# Altium PCB FD-KL-ASM-SUB-PCBA-MAIN.PcbDoc (part 3 of 4)
Units mm, origin at the board's own origin, x right, y up, seen from the top; angles counter-clockwise.
Board outline 32.6 x 105.94 mm, 4 copper layers (L1, L2, L3, L4), stack 1.514 mm thick; 339 components, 165 nets, 967 pads, 530 vias.
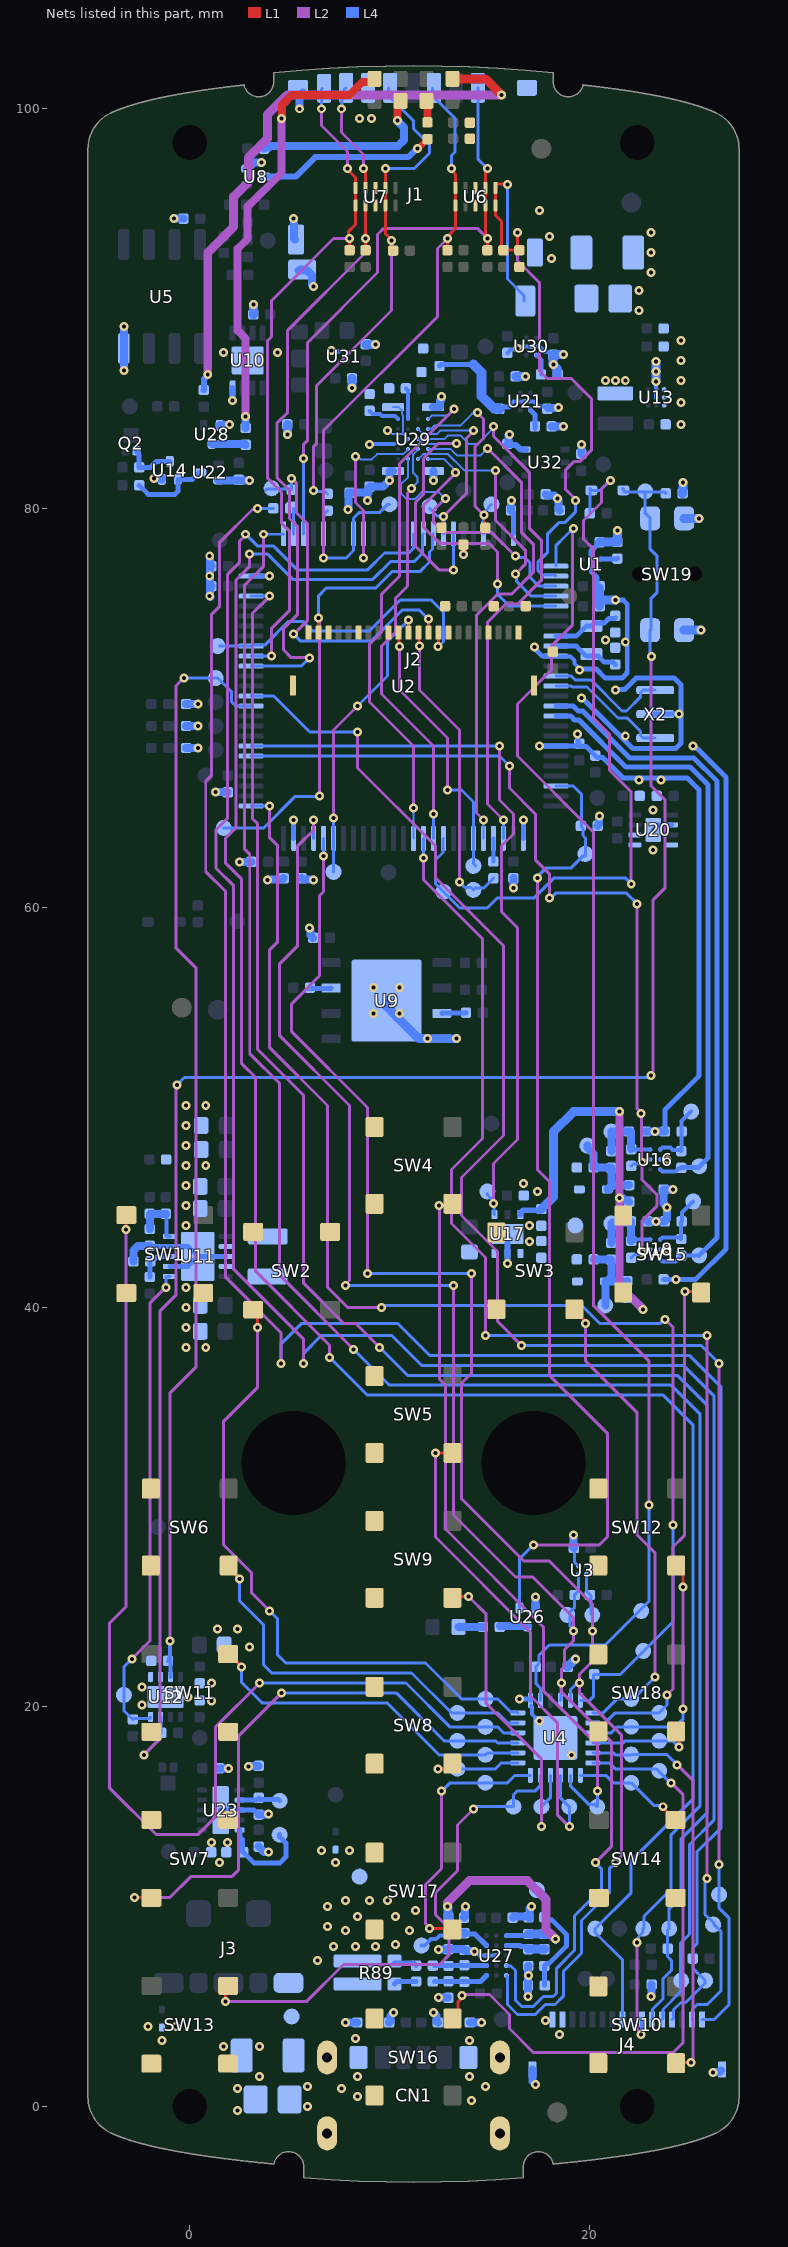
[diagram p5: the nets of this part, all layers, seen from the top]

## Via types
v1: diameter 0.45, hole 0.2, L1 to L4, tented both sides, 530 vias

## Nets (pads, with @x,y where several pads share a name; then routed paths per layer and width w, separated by ;. In a path a pad name is that pad's centre, name@x,y a point inside that pad or via, vN(x,y) a via of type N, cw(c..) or ccw(c..) an arc to the next point about the centre after c; other vN are vias at no path point) (continued)
DCMI_D4: U2.3 U29.E3 | length 13.8
  L2 w0.15: v1(12.8,80.5) 12.2,79.9 12.2,79.3 12.723,78.777 15.123,78.777 v1(16.3,77.6)
  L4 w0.1: U29.E3@10.929,82.465 10.929,81.561 10.562,81.195 10.562,80.759 10.865,80.456 11.256,80.456 11.61,80.81 12.457,80.81 12.766,80.5 v1(12.8,80.5)
  L4 w0.15: v1(16.3,77.6) 16.357,77.543 16.757,77.543 17.033,77.267 17.033,76.542 17.475,76.1 U2.3@18.325,76.1
DCMI_D5: U2.84 U29.D3 | length 9.4
  L2 w0.15: v1(8.3,82.6) 8.3,80.293 8.7,79.893 v1(8.7,77.5)
  L4 w0.1: v1(8.3,82.6) 8.395,82.6 8.548,82.446 9.112,82.446 9.381,82.715 10.679,82.715 U29.D3@10.929,82.965
  L4 w0.15: v1(8.7,77.5) U2.84@8.7,78.725
DCMI_D6: U2.4 U29.E2 | length 13
  L2 w0.15: v1(15.3,81.9) 15.3,79.4 16.8,77.9 16.8,77.2 v1(16.3,76.7)
  L4 w0.1: U29.E2@11.429,82.465 11.679,82.715 12.926,82.715 13.741,81.9 v1(15.3,81.9)
  L4 w0.15: v1(16.3,76.7) 16.357,76.643 16.357,76.343 17.1,75.6 U2.4@18.325,75.6
DCMI_D7: U2.5 U29.E1 | length 14.6
  L2 w0.15: v1(13.3,81.8) 13.3,81.751 11.7,80.151 11.7,79.055 12.512,78.243 14.964,78.243 15.4,77.807 v1(15.4,76.2)
  L4 w0.1: U29.E1@11.929,82.465 12.728,82.465 13.3,81.893 v1(13.3,81.8)
  L4 w0.15: v1(15.4,76.2) 15.4,75.7 16,75.1 U2.5@18.325,75.1
DCMI_HREF: U2.28 U29.C1 | length 27.4
  L2 w0.15: v1(15.2,84.1) 15.2,83.6 17,81.8 17,78.999 17.6,78.399 17.6,76.4 16.4,75.2 15.8,75.2 14.9,74.3 14.9,65.2 v1(15.7,64.4)
  L4 w0.1: U29.C1@11.929,83.465 12.737,83.465 12.907,83.635 13.565,83.635 13.985,83.215 14.41,83.215 15.2,84.005 v1(15.2,84.1)
  L4 w0.15: U2.28@15.7,63.475 v1(15.7,64.4)
DCMI_PCLK: U2.30 U29.D1 | length 25.5
  L2 w0.15: v1(14.7,64.4) 14.35,64.75 14.35,74.65 15.4,75.7 16.107,75.7 17.2,76.793 17.2,78.2 16.6,78.8 16.6,81.307 14.907,83 v1(14.9,83)
  L4 w0.1: U29.D1@11.929,82.965 13.059,82.965 13.383,82.64 14.54,82.64 v1(14.9,83) ; U2.30@14.7,63.475 v1(14.7,64.4)
DCMI_PWDN: U2.37 U29.A1 | length 25.6
  L2 w0.15: v1(11.2,65) 11.2,68.1 9,70.3 9,73.2 9.6,73.8 9.6,75.7 10.5,76.6 10.5,82.23 13.17,84.9 v1@13.2,84.9
  L4 w0.1: U2.37@11.2,63.475 v1(11.2,65) ; U29.A1@11.929,84.465 11.942,84.465 12.113,84.635 12.905,84.635 v1(13.235,84.965)
DCMI_VREF1: C77.1 U29.A4 | length 1.6
  L4 w0.2: C77.1@9,84.88 9.158,84.722 9.524,84.722 9.621,84.625 10.269,84.625 U29.A4@10.429,84.465
DCMI_VREF2: C76.1 U29.A3 | length 1.6
  L4 w0.2: C76.1@10.82,86 10.929,85.891 U29.A3@10.929,84.465
DCMI_VSYNC: U2.93 U29.C2 | length 12.8
  L2 w0.15: v1(13.2,76.9) 12.493,76.9 11.3,78.093 11.3,80.3 11.7,80.7 11.7,82.5 12.45,83.25 v1(13.35,83.25)
  L4 w0.1: U29.C2@11.429,83.465 11.679,83.215 13.315,83.215 v1(13.35,83.25)
  L4 w0.15: v1(13.2,76.9) U2.93@13.2,78.725
DCMI_XVCLK: U2.35 U29.D2 | length 21.5
  L2 w0.15: v1(11.1,81) 11.1,80.962 10.9,80.762 10.9,76.1 10.3,75.5 10.3,73.8 9.6,73.1 9.6,70.7 12.2,68.1 v1(12.2,64.7)
  L4 w0.1: v1(11.1,81) 11.4,81.3 11.4,81.557 11.179,81.778 11.179,82.715 U29.D2@11.429,82.965
  L4 w0.15: U2.35@12.2,63.475 v1(12.2,64.7)
GND: C2.1 C3.2 C4.2 C5.1 C6.1 C7.1 C8.1 C9.1 C10.1 C11.1 C12.1 C13.2 C14.2 C15.2 C16.2 C17.1 C18.2 C19.2 C20.2 C21.2 C22.2 C23.2 C24.2 C25.2 C26.2 C27.2 C28.2 C29.2 C30.2 C31.2 C32.2 C33.2 C34.1 C35.2 C36.2 C37.2 C38.1 C39.2 C40.2 C43.1 C44.2 C45.2 C48.1 C49.2 C50.2 C51.2 C52.2 C53.2 C55.2 C56.1 C57.1 C58.2 C59.2 C60.2 C61.2 C62.2 C63.1 C64.2 C65.1 C66.1 C68.1 C69.2 C70.2 C71.2 C72.2 C73.2 C74.2 C75.2 C76.2 C77.2 C78.2 C79.2 C80.1 C81.2 C82.2 C83.2 C84.2 C85.2 C86.2 C87.2 C88.2 C89.2 CN1.A12 CN1.B12 D5.A D6.A J1.6 J1.9 J2.1 J2.3 J2.6 J2.9 J2.15 J2.19 J2.22 J2.23 J2.24 J4.15 J4.16 J4.17 J4.18 R4.1 R8.1 R23.1 R24.1 R28.1 R32.2 R33.1 R40.2 R41.2 R45.1 R46.1 R50.1 R51.1 R52.1 R56.2 R64.1 R67.1 R68.1 R69.1 R77.1 R82.1 R85.2 R86.2 R89.2 R91.2 SW1.1 SW1.2 SW2.1 SW2.2 SW3.1 SW3.2 SW4.1 SW4.2 SW5.1 SW5.2 SW6.1 SW6.2 SW7.1 SW7.2 SW8.1 SW8.2 SW9.1 SW9.2 SW10.1 SW10.2 SW11.1 SW11.2 SW12.1 SW12.2 SW13.1 SW13.2 SW14.1 SW14.2 SW15.1 SW15.2 SW16.1 SW16.2 SW17.1 SW17.2 SW18.1 SW18.2 SW19.2 SW19.4 TP63.1 U1.B2 U2.10 U2.19 U2.26 U2.49 U2.74 U2.99 U3.A2 U4.19 U4.25 U5.4 U6.3 U6.8 U7.3 U7.8 U8.2 U9.4 U9.9 U10.4 U10.9 U11.3 U11.7 U11.9 U11.11 U12.5 U12.6 U12.9 U13.C1 U13.C2 U13.C3 U14.2 U16.B2 U17.5 U17.7 U18.B2 U20.2 U20.4 U20.5 U20.6 U20.9 U21.B2 U22.2 U23.3 U23.11 U26.2 U27.C1 U27.C2 U28.2 U29.1 U29.2 U29.3 U29.4 U29.C3 U30.B2 U31.B1 U32.6 X2.2 | length 177.8
  L1 w0.3: v1(13.7,77.675) R4.1@13.7,78.18
  L4 w0.1: v1(9.9,83.9) 9.949,83.9 10.134,83.715 10.679,83.715 ; U29.4@10.179,85.065 10.47,85.065 10.619,84.916 10.619,84.715 10.679,84.655 10.679,83.715 ; 10.216,83.215 10.679,83.215 U29.C3@10.929,83.465 10.679,83.715
  L4 w0.15: C60.2@19.264,27.9 19.264,27.236 U3.A2@19.45,27.05
  L4 w0.2: R77.1@3.448,14.606 R77.1@3.45,14.606 ; v1(7.1,87.9) 7.148,87.852 7.448,87.852 U31.B1@7.45,87.85 ; v1(9,83.2) 9.015,83.215 10.216,83.215 ; v1(14.25,7.75) 14.302,7.75 14.492,7.56 14.84,7.56 U27.C1@14.85,7.55 U27.C2@15.35,7.55 ; 15.9,85.1 15.968,85.1 16.218,85.35 U21.B2@16.8,85.35 16.807,85.343 17.225,85.343 17.481,85.088 17.792,85.088 C3.2@17.9,84.98 ; C83.2@15.9,87.782 16.056,87.938 16.27,87.938 16.327,87.995 v1@16.395,87.995 ; v1@16.461,87.995 16.462,87.995 16.562,88.095 U30.B2@17.095,88.095 ; U4.19@17.075,20.05 17.125,20 17.125,19.63 17.455,19.3 v1(17.5,19.3) ; U30.B2@17.1,88.088 17.103,88.09 17.145,88.09 17.147,88.088 17.518,88.088 17.774,87.832 18.04,87.832 18.188,87.685 C82.2@18.188,87.68 ; C3.2@17.935,85.015 C3.2@17.9,84.98 ; C3.2@17.95,84.93 C3.2@17.9,84.98 ; U2.10@18.325,72.6 18.336,72.589 19.052,72.589 19.25,72.391 19.25,72.218 19.375,72.093 19.506,71.961 v1@19.544,71.961 ; U18.B2@23.55,42.9 v1(23.9,42.9) ; U16.B2@23.55,47.4 v1(23.9,47.4)
  L4 w0.25: R32.2@-2,43.08 -1.97,43.05 U11.9@-1,43.05 -0.1,43.05 U11.11@0.4,42.55 ; U11.7@-1,42.05 -0.1,42.05 U11.11@0.4,42.55 ; U23.11@1.55,14.826 U23.3@2.5,14.826 3.228,14.826 R77.1@3.448,14.606 ; U11.3@1.8,42.55 U11.11@0.4,42.55 ; U2.74@3.075,76.6 v1(4,76.6) ; U2.49@5.2,63.475 v1(5.2,64.4) ; C74.2@12.5,87.12 12.58,87.2 14.2,87.2 ; C4.2@15.6,85.027 15.635,85.062 15.962,85.062 16,85.1 ; C12.1@16.08,79.9 16.2,79.78 U2.99@16.2,78.725 ; v1(16.5,20.4) 17.05,20.4 U4.19@17.05,20.325 ; U2.26@16.7,63.475 v1(16.7,64.4) ; v1(17.25,73.05) 17.25,73.002 17.652,72.6 U2.10@18.325,72.6 ; v1(17.5,68.1) U2.19@18.325,68.1 19.5,68.1 19.515,68.085 19.835,68.085 C59.2@20.3,67.62 ; v1(19.4,68.7) 19.438,68.662 19.438,68.282 C5.1@19.5,68.22 ; v1@19.544,71.961 20.339,71.961 20.805,71.495 21.634,71.495 21.885,71.746 21.885,71.8 21.9,71.815 21.9,73.146 v1@21.8,73.246 ; v1(19.6,70.5) 19.654,70.5 22.179,67.975 24.326,67.975 24.6,68.249 24.6,71.151 24.251,71.5 22.349,71.5 21.787,70.938 21.338,70.938 v1(21.3,70.9) ; U1.B2@20.1,77.2 20.1,76.82 20.385,76.535 20.385,76.135 C89.2@20.52,76 ; U1.B2@20.1,77.247 20.083,77.264 20.083,77.863 C87.2@20.52,78.3 ; C59.2@20.302,67.618 20.405,67.515 20.685,67.515 21.7,66.5 24.9,66.5 25.5,65.9 25.5,51.6 23.78,49.88 R46.1@23.78,48.8 ; v1(21.3,75.4) 21.7,75.4 21.9,75.2 21.9,73.454 21.8,73.354 v1(21.8,73.3) ; U20.9@23.2,63.9 23.45,64.15 U20.2@24.12,64.15 ; X2.2@23.3,69.7 v1(24.5,69.7) ; C48.1@23.72,41.4 v1(24.337,41.4) 25.325,41.4 26.85,42.925 26.85,66.523 25.423,67.95 25.404,67.95 25.254,68.1 v1(25.2,68.1)
  L4 w0.3: v1@2.15,85.393 U10.4@2.15,86.03 ; v1(15.9,42.2) U17.5@15.9,42.7 U17.7@15.9,43.6 ; R41.2@15.9,83.22 15.958,83.162 16.338,83.162 16.55,82.95 U32.6@16.825,82.95
  L4 w0.4: v1(-3.3,86.9) -3.303,86.902 -3.303,87.997 U5.4@-3.305,88 -3.303,88.002 -3.303,89.098 v1(-3.3,89.1) ; C33.2@-2.82,42.3 -2.82,42.846 -2.586,43.08 R32.2@-2,43.08 ; v1(-1.8,81.5) -1.79,81.49 -1.4,81.49 U14.2@-1.4,81.45 ; v1(-0.8,94.5) C28.2@-0.32,94.5 ; R64.1@-0.18,68 v1(0.4,68) ; R67.1@-0.18,69.1 v1(0.4,69.1) ; R68.1@-0.18,70.2 v1(0.4,70.2) ; v1(1,77.6) 1,77.586 1.02,77.566 1.02,77.16 C11.1@1.08,77.1 1.02,77.04 1.02,76.634 1,76.614 v1(1,76.6) 1,76.586 1.02,76.566 1.02,76.16 C58.2@1.08,76.1 1.02,76.04 1.02,75.634 1,75.614 v1(1,75.6) 1,75.586 v1@1.029,75.558 ; v1(1.3,65.8) 1.31,65.79 1.89,65.79 R91.2@1.9,65.78 ; U22.2@1.45,81.4 v1(3,81.4) ; C44.2@1.47,16.926 v1(1.95,16.926) ; U28.2@1.5,84.15 1.525,84.175 1.975,84.175 v1(2,84.2) ; v1(2.147,85.389) v1@2.15,85.393 ; v1(2.5,62.3) C7.1@3.08,62.3 ; U8.2@2.85,97 2.925,97 3.225,97.3 v1@3.586,97.3 ; v1(2.95,17.026) 2.96,17.036 3.44,17.036 C38.1@3.45,17.046 ; C61.2@3.45,13.006 3.72,12.736 3.94,12.736 v1(3.95,12.726) ; R77.1@3.45,14.606 3.46,14.616 3.94,14.616 v1(3.95,14.626) ; v1(3.9,61.4) 3.914,61.4 3.934,61.42 4.64,61.42 C10.1@4.7,61.48 ; J1.9@5.451,91.913 J1.9@5.862,91.913 ; J1.9@5.55,91.95 J1.9@5.625,91.95 5.825,91.95 J1.9@5.862,91.913 ; C13.2@5.6,61.48 5.66,61.42 6.166,61.42 6.186,61.4 v1(6.2,61.4) ; v1(6,59) 6,58.946 6.045,58.901 6.045,58.635 C20.2@6.18,58.5 ; v1(6.2,91.1) 6.2,91.114 6.125,91.189 6.125,91.65 J1.9@5.862,91.913 ; v1(7.8,4.2) C34.1@8.38,4.2 ; v1(7.927,79.94) 7.927,79.954 7.94,79.967 7.94,80.772 7.954,80.786 8.9,80.786 v1(8.9,80.4) ; 8.94,80.786 8.94,81.02 C72.2@9,81.08 9.666,81.08 9.986,81.4 v1(10,81.4) 10.01,81.41 10.01,81.865 U29.3@10.179,81.865 ; R23.1@9.98,4.2 10.04,4.26 10.04,4.526 10.2,4.686 v1(10.2,4.7) ; U29.1@12.179,85.065 12.529,85.065 12.529,85.394 12.59,85.455 12.59,85.59 v1(12.6,85.6) ; v1(12.2,4.7) 12.2,4.686 12.36,4.526 12.36,4.26 R28.1@12.42,4.2 ; v1(12.2,81.4) U29.2@12.2,81.865 ; v1(12.45,5.45) C68.1@12.93,5.45 ; v1(12.45,7.85) 12.46,7.86 12.94,7.86 C69.2@12.95,7.87 13.71,7.87 C63.1@13.75,7.83 13.81,7.77 14.216,7.77 14.236,7.75 v1(14.25,7.75) ; C65.1@13.73,9.45 13.79,9.51 13.79,9.976 13.8,9.986 v1(13.8,10) ; C2.1@14.02,4.2 v1(14.6,4.2) ; R41.2@15.9,83.22 15.96,83.28 15.96,83.646 16,83.686 v1(16,83.7) ; C12.1@16.08,79.9 16.09,79.91 16.09,80.39 v1(16.1,80.4) ; C79.2@16.17,9.45 16.228,9.508 16.912,9.508 C64.2@16.95,9.47 ; v1(16.2,61) C9.1@16.2,61.48 ; R85.2@16.93,6.05 16.937,6.043 16.937,5.5 v1(16.936,5.499) ; R85.2@16.943,6.05 16.943,7.023 C66.1@16.95,7.03 ; C64.2@17,9.414 17.01,9.424 17.01,9.896 17.1,9.986 v1(17.1,10) ; J4.18@17.15,1.85 17.15,1.264 17.3,1.114 v1(17.3,1.1) ; U26.2@17.3,24.95 v1(17.3,25.5) ; R40.2@17.82,80.7 17.88,80.64 18.246,80.64 18.386,80.5 v1(18.4,80.5) 18.4,80.486 18.46,80.426 18.46,79.96 C6.1@18.52,79.9 ; C3.2@17.935,85.015 18.415,85.015 v1(18.45,85.05) ; C53.2@18.12,84.1 v1(18.7,84.1) ; v1(19.2,28.6) 19.21,28.59 19.21,27.97 C60.2@19.23,27.95 ; C39.2@19.6,82.72 v1(19.6,83.2) ; R82.1@20.42,64.1 20.48,64.16 20.48,64.566 20.5,64.586 v1(20.5,64.6) ; R45.1@22.82,48.8 v1(23.3,48.8) R46.1@23.78,48.8 ; R50.1@22.92,44.3 v1(23.35,44.3) R51.1@23.78,44.3 23.89,44.41 23.89,44.99 v1(23.9,45) 23.9,45.014 23.72,45.194 C43.1@23.72,45.9 v1(24.2,45.9) ; v1(23.096,5.504) 23.106,5.513 23.106,6.086 C52.2@23.12,6.1 ; v1(26.2,1.7) 26.21,1.71 26.51,1.71 J4.17@26.6,1.8
  L4 w0.45: C26.2@3.18,89.7 3.2,89.72 v1(3.2,90.2) ; C70.2@4.88,84.2 4.9,84.18 v1(4.9,83.7) ; v1(8.12,86.02) C86.2@8.12,86.5 ; C85.2@8.82,88.2 v1(9.3,88.2) ; U9.9@9.85,55.35 9.85,55.063 10.357,54.557 10.357,54.543 11.375,53.525 11.388,53.525 11.467,53.446 v1(11.891,53.446) v1(11.891,53.446) U9.4@12.62,53.445 13.342,53.445 v1(13.348,53.452) ; R69.1@16.32,86.6 v1(16.8,86.6) ; v1@18.193,87.207 C82.2@18.193,87.673 ; v1@18.2,87.188 18.378,87.01 18.378,86.883 18.385,86.876 18.385,86.723 C84.2@18.408,86.7 ; C82.2@18.2,87.682 18.213,87.695 v1@18.695,87.695 ; C14.2@18.92,22 19.3,22.38 v1(19.3,22.4) ; C56.1@20.52,75.1 20.52,75.4 ; C89.2@20.52,76 20.52,75.4 ; C87.2@20.52,78.3 20.53,78.31 21.39,78.31 C88.2@21.4,78.32 v1(21.4,78.9) ; v1(21.3,75.4) 20.52,75.4 ; C21.2@24.67,80.75 24.7,80.78 v1(24.7,81.3) ; SW19.2@24.75,73.9 v1(25.6,73.9) ; SW19.4@24.75,79.5 v1(25.5,79.5)
  L4 w0.5: 14.2,87.2 14.6,86.8 14.6,85.625 15.235,84.99 15.49,84.99 C4.2@15.5,84.98
  other v1: 2.4,-0.2 14.1,0.3 8.4,0.5 2.4,0.9 7.6,0.9 14.8,1 3.5,1.5 8.4,1.5 14,1.5 1.7,3 3.5,3 -1.4,3.3 14,3.3 8.3,3.4 18.5,3.6 -2.1,4 -0.7,4 17.8,4.3 16.95,6.55 6.4,7.3 7.2,8 8.3,8 9.3,8 10.3,8.1 7.8,8.8 11,8.8 6.9,9 8.4,9.5 10.3,9.5 11.3,9.8 6.9,10 7.8,10.3 9,10.3 9.9,10.3 1.5,12.2 7.3,12.2 6.6,12.8 8,12.8 1.1,13.2 1.9,13.2 19.1,17.6 -2.4,20.1 1.1,20.3 -0.1,20.5 -2.4,21 1.1,21.2 3,23 1.4,23.9 2.4,23.9 -0.2,38 0.8,38 -0.2,39 -0.2,40 -0.2,41 17,43.3 -0.2,44.1 17,44.1 -0.2,45.1 17.4,45.8 -0.2,46.1 16.7,46.2 -0.2,47.1 0.8,47.1 -0.2,48.1 -0.2,49.1 -0.2,50.1 0.8,50.1 9.2,54.7 10.5,54.7 9.2,56 10.5,56 23.2,62.9 23.2,64.9 22.5,66.4 23.6,66.4 21.8,68.6 19.5,71.9 20.8,73.4 24.6,84.2 24.6,85.3 24.6,86.4 18.2,87.2 24.6,87.4 18.7,87.7 1.7,87.8 4.4,87.8 16.4,88 24.6,88.4 22.5,89.9 22.5,90.9 23.1,91.8 23.1,92.8 23.1,93.8 3.6,97.3 8.5,99.5 9.1,99.5
GND_EARTH_SD: C17.2 J1.11 J1.12 J1.13 J1.14 R24.2 | length 2
  L4 w0.4: v1(5.2,94.5) 5.21,94.49 5.21,93.49 J1.14@5.258,93.442 ; v1@5.5,100.014 5.5,100.65 J1.13@5.675,100.825
  other v1: 18.1,92.5 18,93.6 17.5,94.9 5.5,100
GND_EARTH_USB: C57.2 CN1.1 CN1.2 CN1.3 CN1.4 R8.2
  other v1: 5.9,0 5.9,1
GND_PACK: J3.1 R89.1 TP83.1
I2C1_SCL: R55.1 TP51.1 U2.92 U29.B2 | length 10.2
  L1 w0.15: R55.1@12.6,79.02 12.65,79.07 12.65,79.55 v1(12.7,79.6)
  L2 w0.15: v1(12.7,79.6) 13.85,80.75 13.85,83.508 14.2,83.858 v1(14.2,83.9)
  L4 w0.1: U29.B2@11.429,83.965 11.679,83.715 12.361,83.715 12.531,83.885 14.185,83.885 v1(14.2,83.9)
  L4 w0.15: TP51.1@12,80 12.382,79.618 12.682,79.618 v1(12.7,79.6) U2.92@12.7,78.725
I2C1_SDA: R7.1 TP50.1 U2.96 U29.B1 | length 10.8
  L1 w0.1: v1(14.721,79.658) 14.721,79.099 R7.1@14.8,79.02
  L2 w0.15: v1(14.4,84.8) 14.4,84.764 14.7,84.464 14.7,83.507 14.29,83.097 14.29,80.089 v1(14.721,79.658)
  L4 w0.1: U29.B1@11.929,83.965 11.948,83.984 12.085,83.984 12.235,84.135 13.535,84.135 14.135,84.735 14.335,84.735 v1(14.4,84.8)
  L4 w0.15: U2.96@14.7,78.725 14.711,78.736 14.711,79.611 v1@14.761,79.661 ; v1(14.721,79.658) 14.778,79.715 14.778,79.837 14.958,80.017 14.958,80.058 TP50.1@15.1,80.2
I2C2_SCL: R11.1 TP49.1 U2.46 U3.B1 U4.23 U27.A3 | length 80.4
  L2 w0.15: v1(6.7,62.6) 6.7,60.809 6.5,60.609 6.5,56.6 5.1,55.2 5.1,53.8 8.9,50 v1(8.9,41.7) ; v1(14.1,41.7) 14.1,36.7 13.6,36.2 13.6,30.412 16.712,27.3 18,27.3 20.15,25.15 v1(20.15,23.8) 20.15,22.275 19.5,21.625 19.5,20.7 21.6,18.6 21.6,12.536 21.3,12.236 v1(21.3,12.2)
  L4 w0.15: v1(6.7,62.6) U2.46@6.7,63.475 ; v1(8.9,41.7) v1(14.1,41.7) ; U27.A3@15.85,6.55 15.85,6.523 15.905,6.468 15.905,5.095 16.4,4.6 17.3,4.6 17.8,5.1 18.288,5.1 18.7,5.512 18.7,6.751 19.615,7.666 19.615,9.311 21,10.696 21,11.9 v1(21.3,12.2) ; U4.23@19.05,20.325 19.05,20.85 19.343,21.143 19.443,21.143 v1(19.5,21.2) ; U3.B1@19.85,26.65 19.85,25.796 20.03,25.616 R11.1@20.03,25.6 20.09,25.54 20.09,24.66 TP49.1@20.15,24.6 v1(20.15,23.8)
I2C2_SDA: R10.1 TP48.1 U2.47 U3.B2 U4.22 U27.B3 | length 81.5
  L2 w0.15: v1(6.2,64.4) 6.2,63.9 5.4,63.1 5.4,58.1 4.5,57.2 4.5,53.6 8,50.1 8,41.338 7.8,41.138 v1(7.8,41.1) ; v1(13.2,41.1) 13.2,29.6 14.5,28.3 16.3,26.5 17.175,26.5 19.2,24.475 v1(19.2,23.8) 19.2,23.3 18.75,22.85 18.75,22.025 18.6,21.875 v1(18.6,21.2) 18.618,21.182 18.618,20.732 21.1,18.25 21.1,13 v1(20.3,12.2)
  L4 w0.15: U2.47@6.2,63.475 v1(6.2,64.4) ; v1(7.8,41.1) v1(13.2,41.1) ; U27.B3@15.85,7.05 15.869,7.031 16.069,7.031 16.3,6.8 16.3,5.312 16.614,4.999 17.199,4.999 17.7,5.5 18.193,5.5 18.35,5.657 18.35,6.896 19.265,7.811 19.265,9.54 20.6,10.875 20.6,11.9 v1(20.3,12.2) ; U4.22@18.55,20.325 18.575,20.35 18.575,21.175 v1(18.6,21.2) ; v1(19.2,23.8) 19.2,23.881 19.024,24.057 19.024,24.679 18.992,24.712 19.27,24.99 R10.1@19.27,25.6 19.27,25.616 19.45,25.796 U3.B2@19.45,26.65
JTAG_nTRST: J4.9 TP44.1 U2.90 | length 105.5
  L2 w0.15: v1(3,77.7) 3,77.1 2.31,76.41 2.31,64.01 1.8,63.5 1.8,62.23 2.6,61.43 2.6,52.2 3.3,51.5 3.3,41.8 7,38.1 v1(7,37.5)
  L4 w0.15: v1(3,77.7) 3.9,77.7 5.156,76.444 9.157,76.444 10.054,77.341 11.241,77.341 11.65,77.75 11.65,78.675 U2.90@11.7,78.725 ; v1(7,37.5) 8.9,35.6 23.7,35.6 25.2,34.1 25.2,15.4 22.1,12.3 22.1,10.7 TP44.1@20.3,8.9 ; TP44.1@20.291,8.9 20.291,8.709 21.65,7.35 J4.9@21.65,4.35
JTAG_TCK: J4.7 TP42.1 U2.76 | length 96.4
  L2 w0.15: v1(3.7,78.7) 3.7,77.1 2.73,76.13 2.73,62.952 3.003,62.679 3.003,52.697 4.5,51.2 4.5,41.6 v1(8.2,37.9) ; v1(22.4,8.2) 22.4,3.838 22.6,3.638 v1(22.6,3.6)
  L4 w0.15: v1(3.7,78.7) 4.675,78.7 U2.76@4.7,78.725 ; v1(8.2,37.9) 10,36.1 24.1,36.1 25.55,34.65 25.55,15.05 24.1,13.6 24.1,10.877 22.737,9.514 22.737,8.937 TP42.1@22.7,8.9 22.7,8.724 22.457,8.482 22.457,8.257 v1(22.4,8.2) ; v1(22.6,3.6) 22.625,3.625 22.625,4.325 J4.7@22.65,4.35
JTAG_TDI: J4.4 R14.2 R73.2 TP39.1 | length 104.4
  L2 w0.15: v1@3.543,79.943 3.143,79.943 1.5,78.3 1.5,75.1 1.1,74.7 1.1,66.632 0.8,66.332 0.8,61.811 1.8,60.811 1.8,41.5 4.555,38.745 v1@4.555,37.339
  L4 w0.15: v1(3.4,80) R73.2@4.18,80 ; v1(4.555,37.201) 4.555,38.155 5.6,39.2 10.4,39.2 12,37.6 25,37.6 26.6,36 26.6,13.947 25.384,12.731 25.384,8.137 25.18,7.933 R14.2@25.18,7.4 25.18,6.92 TP39.1@25.8,6.3 25.8,6.183 24.823,5.206 24.589,5.206 24.215,4.831 24.215,4.415 J4.4@24.15,4.35
JTAG_TDO: J4.5 TP40.1 U2.89 | length 109.2
  L2 w0.15: v1(2.8,78.7) 2.8,78.664 2.5,78.364 2.5,77.3 1.9,76.7 1.9,64.5 1.312,63.912 1.312,61.986 2.2,61.098 2.2,41.9 5.7,38.4 v1(5.7,37.2)
  L4 w0.15: v1(2.8,78.7) 3.4,78.1 4.2,78.1 5.4,76.9 8.89,76.9 9.751,77.761 10.961,77.761 11.197,77.997 11.197,78.722 U2.89@11.2,78.725 ; v1(5.7,37.2) 5.7,37.7 6.6,38.6 10.1,38.6 11.6,37.1 24.7,37.1 26.25,35.55 26.25,14.35 25.011,13.111 25.011,8.611 24.558,8.158 24.558,6.3 24.558,5.722 23.691,4.855 23.691,4.391 J4.5@23.65,4.35
JTAG_TMS: J4.6 R15.2 TP41.1 U2.72 | length 91.5
  L2 w0.15: v1(4,75.6) 3.132,74.732 3.132,64.468 3.397,64.203 3.397,52.903 5.7,50.6 5.7,41.2 7.699,39.201 8.299,39.201 v1(9.5,38)
  L4 w0.15: U2.72@3.075,75.6 v1(4,75.6) ; v1(9.5,38) 10.9,36.6 24.4,36.6 25.9,35.1 25.9,14.7 24.6,13.4 24.6,10.5 24,9.9 TP41.1@24,8.9 23.915,8.815 23.915,7.503 24.105,7.313 24.105,6.805 23.7,6.4 23.7,5.4 23.173,4.873 23.173,4.373 J4.6@23.15,4.35
KBD_INT#: R12.1 TP76.1 U2.51 U4.24 | length 66.6
  L2 w0.15: v1(4,65.1) 4,63.507 4.4,63.107 4.4,58.3 4,57.9 4,53 6.9,50.1 6.9,41 7.9,40 v1(9.6,40) ; v1(23.801,39.39) 24.2,38.991 v1(24.2,29.1)
  L4 w0.15: U2.51@3.075,65.1 v1(4,65.1) ; v1(9.6,40) 9.7,40.1 19.607,40.1 20.507,39.2 23.554,39.2 23.744,39.39 v1(23.801,39.39) ; U4.24@19.55,20.325 20.025,20.325 20.2,20.5 20.2,21.58 R12.1@20.25,21.63 21.562,21.63 24.2,24.268 v1(24.2,29.1)
KBD_K0: SW7.3 TP26.1 U4.15 | length 29.2
  L1 w0.15: v1(-2.755,10.463) -1.938,10.463 SW7.3@-1.925,10.45